# KiCad board PC110.kicad_pcb (continued)
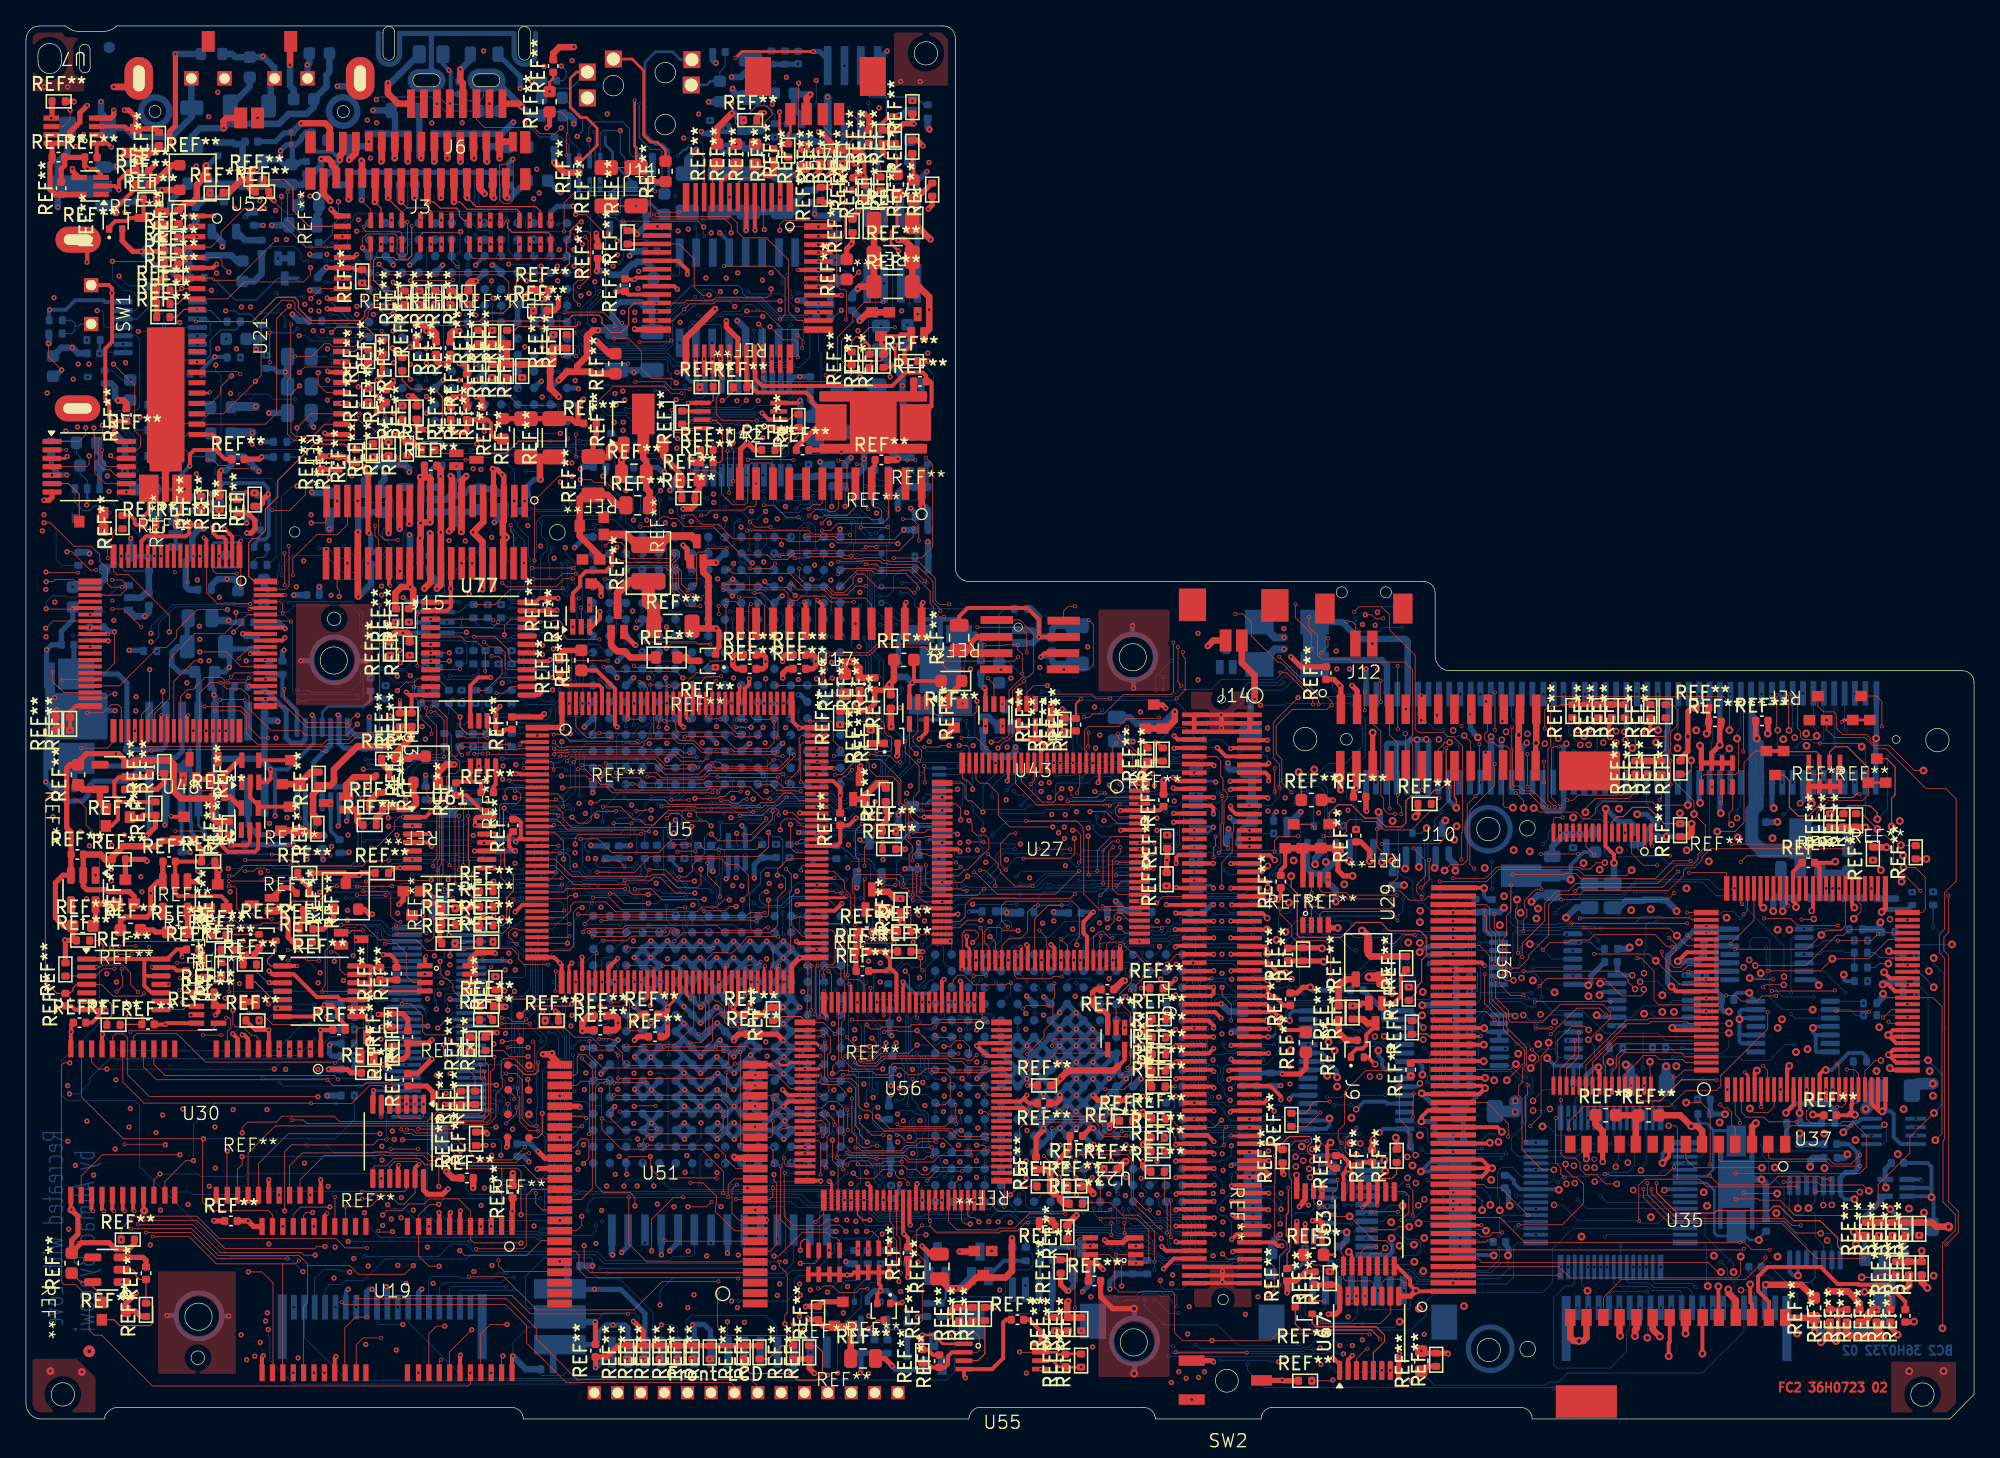
[diagram p0: board, top side]
## Routing (per net, layer and track width the routed paths; a pad name or vN(x,y) marks a point on that pad's centre or on a via; arc(x,y) is an arc through that point) (continued)
  FC2 w0.3: J16.106 92.03,31.96 v1(92.06,31.99) ; REF**#96.2 26.64,34.8 26.53,34.91 ; REF**#302.4 20.39,50.76 ; 6.81,76.79 6.92,76.9 REF**#200.1 ; 6.81,76.79 6.39,77.21 6.39,78.33 6.11,78.61 6.11,82.48 6.64,83.01 6.64,86.4 ; 6.81,76.79 6.81,75.69 ; 95.98,31.51 95.83,31.36 J16.37 ; 95.98,31.51 95.53,31.96 J16.36 ; 95.98,31.51 v5(96.52,30.97) 96.52,30.37 96.92,29.97 98.42,29.97 98.59,29.8 ; J16.107 91.59,31.36 v1(92.06,30.89) ; U48.71 19.73,59.99 v1(19.94,60.2) ; U42.34 55.49,79.94 55.87,79.56 ; REF**#271.3 103.95,30.31 103.24,29.6 103.24,28.83 102.93,28.52 102.48,28.52 102.06,28.1 ; 7.09,47.57 7.09,47.75 6.81,48.03 6.81,49.11 7.17,49.47 REF**#190.2 ; 7.09,47.57 7.3,47.57 7.32,47.55 REF**#309.2 ; 7.09,47.57 7.09,46.2 6.6,45.71 REF**#74.1 ; 46.36,55.15 46.36,53.97 v2(46.38,53.95) ; 55.87,79.56 55.58,79.56 REF**#398.2 ; 55.87,79.56 56.33,79.1 60.08,79.1 60.51,78.67 60.51,78.38 62.01,76.88 REF**#366.1 ; U3.8 36.18,48.89 36.01,48.72 REF**#126.2 ; U42.6 55.49,91.62 v1(55.47,91.6) ; REF**#416.1 9.05,93.99 9.05,92.68 REF**#418.3 7.99,92.55 7.76,92.32 6.89,92.32 6.41,91.84 ; 52.05,77.68 52.02,77.65 50.57,77.65 REF**#299.2 ; v1(78.55,51.83) 78.95,52.23 REF**#249.1 ; v1(78.55,51.83) 78.17,51.45 U27.13 ; v1(78.55,51.83) 78.06,52.32 77.88,52.32 ; 139.54,6.12 139.54,6.16 ; 139.54,6.12 139.61,6.19 139.61,8.38 139.57,8.42 ; 139.54,6.12 v3(139.42,6) ; U77.17 40.25,58.39 v1(40.38,58.52) ; 9.12,34.17 9.12,33.39 9.66,32.85 ; 9.12,34.17 9.12,35.44 ; 9.12,34.17 9.15,34.14 REF**#124.12 ; 77.88,52.32 76.42,52.32 v2(76.41,52.33) ; 77.88,52.32 77.75,52.45 REF**#58.5 ; REF**#28.1 7.88,96.18 7.16,95.46 v1(7.16,94.71) 6.85,95.02 REF**#73.2 ; REF**#121.12 26.48,33.61 26.52,33.65 26.54,33.65 ; U35.27 134.25,9.03 133.42,9.86 133.42,10.98 134.15,11.71 138.24,11.71 139.55,10.4 141.1,10.4 141.16,10.34 143.45,10.34 144.76,9.03 144.76,8.44 ; v1(14.59,31.13) 14.83,31.37 REF**#414.5 ; 11.99,36.18 11.61,36.18 10.87,35.44 REF**#124.14 9.12,35.44 ; 11.99,36.18 REF**#353.1 ; 11.99,36.18 11.99,35.63 v8(12.04,35.58) ; v1(18.72,34.52) 18.98,34.26 REF**#121.2 20.65,34.26 22.41,32.5 22.42,32.51 24.01,32.51 24.21,32.31 REF**#121.10 26.36,32.31 26.54,32.49 26.54,33.65 ; U35.21 126.61,7.81 126.61,5.95 126.53,5.87 v3(126.53,4.84) ; REF**#419.1 67.41,8.91 v1(67.5,9) ; v1(31.07,45.12) 31.02,45.07 29.77,45.07 ; U35.26 132.95,8.84 132.81,8.98 v3(132.81,10.37) ; REF**#73.3 5.78,95.9 5.34,96.34 v1(4.74,96.34) ; v1(68.64,18.12) 68.55,18.03 U56.65 ; 132.9,7.77 132.84,7.77 ; 6.81,75.69 v1(6.81,76) ; 6.81,75.69 6.81,75.51 6.99,75.33 REF**#160.14 ; v1(42.83,35.58) 42.84,35.57 U5.40 ; U42.9 53.54,95.38 53.96,95.8 54.36,95.8 54.7,96.14 REF**#426.1 ; REF**#399.1 125.11,53.14 v3(124.84,52.87) ; REF**#56.1 106.31,34.5 105.9,34.09 105.9,32.6 105.34,32.04 REF**#271.2 ; U42.16 REF**#118.1 ; 139.57,8.42 139.56,8.44 138.96,8.44 ; 139.57,8.42 139.58,8.44 140.24,8.44 ; 68.36,95.5 68.36,96.51 68.27,96.6 REF**#117.1 ; 26.54,33.65 26.54,34.9 26.53,34.91 ; v1(6.62,86.78) 6.64,86.76 6.64,86.4 ; U53.11 103.44,16.79 v2(102.94,16.29) ; U56.50 61.18,18.36 v1(61.21,18.33) ; J15.34 27.96,64.31 v2(28.06,64.21) ; v2(51.01,78.31) 51.02,78.3 REF**#321.5 ; v2(80.46,12.29) 80.43,12.26 REF**#11.2 ; REF**#100.2 5.45,97.25 U7.1 6.28,98.3 v1(6.58,98) ; v2(31.33,40.23) 30.9,40.67 REF**#166.3 ; SW1.1 6.38,87.38 6.64,87.12 6.64,86.4 ; U42.21 49.93,87.3 v1(50.18,87.05) ; 26.53,34.91 REF**#121.14 ; REF**#88.1 15.45,39.9 15.05,40.29 11.73,40.29 11.49,40.53 REF**#27.2 11.49,42.93 REF**#450.2 13.52,42.95 REF**#113.1 ; U5.102 62.18,50.17 v2(62.23,50.12) ; v3(130.36,10.22) 130.36,7.86 U35.24 ; REF**#416.2 10.47,93.61 REF**#418.1 ; v1(64.82,18.12) 65.05,17.89 U56.58 ; U42.35 56.14,80.18 56.71,79.61 66.72,79.61 67.75,80.64 69.08,80.64 69.34,80.38 REF**#174.2 69.65,79.96 69.75,79.86 69.75,78.04 REF**#366.2 ; U42.44 61.05,86.59 v1(62.81,86.59) ; REF**#358.2 66.06,82.63 65.85,82.84 REF**#19.2 67.23,83.44 67.38,83.59 REF**#428.2 68.18,82.78 67.66,82.26 REF**#276.1 ; 59.06,55.17 59.06,53.75 v1(59.57,53.24) 59.6,53.27 U5.108 ; REF**#20.2 35.69,31.02 v2(35.69,31.19) ; v1(78.59,7.83) 79.27,7.83 REF**#101.2 ; v2(34.67,29.42) REF**#148.2 ; 4.73,90.17 4.73,89.17 ; v2(9.01,30.87) 9.01,30.5 ; REF**#302.2 17.28,47.89 17.89,47.28 ; U42.5 56.14,91.63 v1(56.16,91.61) ; U67.1 101.19,4.22 100.71,4.69 v1(100.64,4.69) ; 17.98,47.19 REF**#308.2 ; U55.2 71.32,5.14 71.03,4.85 71.03,4.23 70.77,3.97 REF**#44.1 69.75,3.97 69.4,4.32 REF**#311.1 ; 9.12,35.44 REF**#124.1 ; REF**#123.1 REF**#123.3 ; REF**#372.3 11.61,34.56 11.38,34.79 REF**#124.13 ; U35.23 129.13,7.8 v3(129.13,5.04) ; 28.8,55.37 REF**#423.2 ; v2(139.57,49.64) 139.73,49.8 REF**#144.1 ; v2(47.64,32.28) 47.86,32.5 U5.50 ; REF**#171.1 41.14,56.93 41.52,56.55 44.14,56.55 44.36,56.33 44.36,55.15 ; 38.6,62.94 39.27,62.94 39.58,63.25 REF**#152.2 40.97,63.25 v1(40.98,63.24) ; REF**#254.2 17.24,44.41 17.04,44.21 v2(15.83,44.21) 15.62,44.42 REF**#68.1 ; U7.3 7.58,99.6 7.77,99.42 REF**#187.2 ; v2(20.9,34.91) REF**#121.1 ; v2(11.17,46.46) 11.23,46.41 REF**#262.2 ; v1(50.95,88.21) 50.95,88.53 50.23,89.25 U42.18 ; v1(18.74,33.63) 18.76,33.61 REF**#121.3 ; REF**#31.1 8.47,94.86 6.91,93.3 REF**#387.3 ; v2(79.28,6.8) REF**#18.1
  FC2 w0.4: REF**#268.2 9.25,12.22 9.02,12.45 REF**#47.3 ; 42.52,76.72 42.52,78.15 v1(42.95,78.58) ; 42.52,76.72 REF**#238.1 ; 42.52,76.72 42.38,76.72 42.02,77.09 REF**#279.2 REF**#175.2 36.73,77.09 REF**#266.2 ; v1(37.02,20.95) 37.1,21.03 REF**#4.10 ; v1(3.7,101.5) 3.66,101.54 REF**#36.2 ; v1(100.69,47.67) 100.66,47.7 REF**#119.2 ; v1(102.13,56.53) 102.53,56.13 J10.2 ; U43.3 73.05,59.02 72.81,59.26 ; v2(102.18,31.83) 102.68,31.83 102.89,32.04 REF**#271.1 ; REF**#216.2 56.77,57.81 56.97,58.01 v1(56.97,58.37) 56.97,58.7 56.79,58.88 REF**#53.2 ; v1(50.61,67.34) 50.93,67.02 50.93,66.33 REF**#83.2 ; REF**#383.2 14.48,32.15 REF**#414.5 ; REF**#314.2 22.89,37.75 23.69,38.55 REF**#232.1 ; 74.61,8.6 REF**#433.2 ; REF**#2.1 50.51,71.46 50.34,71.64 50.34,72.92 49.05,74.2 REF**#322.3 ; REF**#332.1 21.84,40.93 20.93,41.84 REF**#260.1 ; REF**#302.5 16.39,50.76 15.27,49.64 15.27,49.4 ; REF**#314.1 21.07,38.17 21.34,38.44 REF**#332.3 ; REF**#270.1 102.25,48.44 v1(102.43,48.62) ; REF**#199.2 41.01,31.21 v1(40.79,31.43) ; v1(29.45,78.83) 29.77,78.83 30.09,78.51 REF**#80.2 ; REF**#368.1 25.03,73.68 24.55,74.16 REF**#40.2 24.03,74.2 v1(23.35,74.2) 22.81,74.2 ; v1(98.08,16.36) 98.36,16.64 98.36,16.74 98.53,16.91 REF**#320.3 ; 72.81,59.26 72.81,59.84 73.24,60.27 U43.2 ; 72.81,59.26 REF**#389.1 ; REF**#28.1 8.49,96.92 REF**#187.1 ; REF**#228.2 2.71,96.34 2.98,96.61 REF**#374.2 ; REF**#13.1 61.37,93.75 v1(62.08,93.75) ; v1(50.61,70.13) 51.26,70.13 51.53,70.4 REF**#2.2 51.53,71.38 51.89,71.74 REF**#39.2 ; REF**#32.1 29.86,75.28 REF**#104.2 29.26,75.28 v1(28.44,76.1) ; REF**#157.2 19.57,39.16 20.2,38.53 20.2,37.12 20.56,36.76 REF**#178.1 ; v1(11.07,98.12) 11.07,99.23 11.51,99.67 v1(11.51,105.19) ; REF**#285.1 10.24,97.83 9.98,97.57 REF**#187.1 ; REF**#225.3 64.21,50.25 v1(64.29,50.33) ; 68.48,93.94 REF**#344.2 ; v3(103.73,52.89) J10.16 ; 143.61,7.47 143.61,7.04 v3(144.16,6.49) ; REF**#380.1 63.66,91.42 63.66,90.62 v1(63.58,90.54) 63.22,90.18 REF**#392.2 ; REF**#306.1 133.22,53.79 133.22,52.53 v3(133.32,52.43) ; REF**#27.1 13.18,41.4 v1(13.23,41.45) ; REF**#379.1 58.48,58.88 58.28,58.68 v1(58.28,58.37) ; v1(61.83,95.85) 62.01,96.03 REF**#140.1 ; REF**#224.1 REF**#444.1 66,97.63 v1(66.28,97.35) ; REF**#438.1 9.98,37.52 9.82,37.68 8.83,37.68 ; REF**#88.3 14.12,39.35 12.67,39.35 REF**#27.5 12.44,37.56 ; 107.66,3.69 108.02,4.05 REF**#95.1 ; REF**#365.1 17.98,70.34 18.23,70.59 18.23,70.83 v1(18.66,71.26) ; v1(40.11,99.49) 40.33,99.71 REF**#150.1 ; REF**#187.1 REF**#187.3 ; v1(26.41,68.27) 26.35,68.33 26.35,70.73 J15.16 26.36,72.75 26.1,73.01 v1(26.1,73.38) ; REF**#49.2 REF**#447.2 REF**#90.2 REF**#381.2 ; v1(33.38,86.44) 33.38,86.45 32.91,86.92 REF**#259.2 ; REF**#396.1 REF**#63.1 REF**#244.1 10.44,87.92 10.07,87.55 REF**#415.1 REF**#342.1 REF**#77.1 ; REF**#396.1 REF**#164.1 ; REF**#396.1 10.63,89.97 v1(8.89,89.97) 8.23,89.97 7.41,90.79 REF**#387.2 ; REF**#262.1 13.53,43.88 REF**#113.1 ; v1(28.23,82.52) 28.26,82.52 REF**#329.2 ; REF**#186.1 72.07,56.73 70.82,55.48 v2(70.82,55.14) ; REF**#356.2 41.46,59.24 41.14,58.92 REF**#171.2 ; REF**#13.2 61.91,94.92 v1(61.94,94.95) ; REF**#237.1 9.22,49.47 REF**#190.2 ; REF**#157.1 19.72,40.94 20.41,40.94 20.83,40.52 ; REF**#285.2 9.98,99.42 REF**#187.2 8.46,100.32 7.92,100.86 v1(7.58,100.86) ; 5.36,38.21 REF**#15.5 ; v1(3.58,96.36) 3.58,96.17 REF**#73.4 ; 15.31,49.26 REF**#85.2 15.75,47.92 REF**#254.5 ; 144.76,7.47 145.39,7.47 ; REF**#239.2 4.41,43.47 REF**#15.2 4.41,41.06 4.69,40.78 6.2,40.78 6.35,40.63 7.98,40.63 8.34,40.28 8.34,39.72 ; v1(97.43,58.74) 98.21,57.96 REF**#168.2 ; REF**#366.1 61.26,76.8 59.34,74.88 REF**#99.1 ; REF**#397.1 REF**#341.2 ; REF**#182.1 107.22,46.62 v3(107.02,46.42) ; REF**#96.1 REF**#22.1 ; 6.92,39.62 7.01,39.72 ; v2(1.95,100.25) 2.01,100.31 REF**#36.1 ; v1(4.74,96.34) 4.52,96.56 REF**#100.1 3,97.22 ; 69.51,81.52 REF**#276.2
  FC2 w0.5: v3(127.83,6.58) 127.83,7.8 U35.22 ; REF**#347.2 26.86,49.46 25.26,49.46 24.66,48.86 REF**#93.1 ; v1(27.88,102.94) 27.88,102.15 28.67,101.36 J6.8 ; REF**#142.2 101.11,33.29 101.7,33.88 REF**#436.1 ; J15.5 35.22,70.73 35.22,69.12 v1(34.43,68.33) 35.16,67.6 J15.25 35.15,65.93 v1(35.15,63.94) ; REF**#449.1 45.6,70.41 44.8,71.22 42.91,71.22 42.66,70.97 REF**#338.2 42.66,68.05 44.19,66.51 REF**#265.3 ; 141.74,15.14 146.82,15.14 147.14,14.82 148.08,14.82 ; J6.1 37.96,101.36 v1(38.2,101.12) ; REF**#56.2 103.57,35.64 103.38,35.83 REF**#436.3 103.39,36.51 103.39,37.23 102.98,37.64 v3(102.9,37.64) ; v3(131.12,9.98) 131.12,9.72 131.7,9.14 U35.25 ; U35.10 124,23.19 REF**#8.1 122.45,23.4 REF**#42.2 ; v1(102.43,48.62) 102.49,48.68 102.49,50.33 J10.15 ; J15.14 27.93,70.71 v1(27.93,68.26) ; REF**#352.1 29.84,48.08 30.04,47.88 30.04,47.39 29.67,47.02 28.71,47.02 28.58,47.15 REF**#33.2 27.48,46.82 26.98,46.32 REF**#66.2 ; 141.23,8.44 141.23,8.95 140.34,9.84 v3(138.83,9.84) ; 42.47,80.71 42.47,81.15 43.21,81.89 43.21,83.43 43.68,83.9 v1(44.06,83.9) ; 42.47,80.71 41.7,80.71 v1(41.03,80.04) ; 42.47,80.71 43.53,80.71 43.69,80.56 REF**#395.1 ; REF**#262.3 10.47,44.56 10.04,44.13 7.46,44.13 6.64,43.31 REF**#373.1 6.11,43.12 5.73,43.5 REF**#239.2 ; v2(17.72,32.15) REF**#105.2 ; REF**#62.2 45.07,59.64 45.55,59.16 46.08,59.16 46.56,58.68 REF**#371.1 ; REF**#225.2 REF**#225.1 64.71,48.12 65.58,48.99 v2(66.26,48.99) 66.26,48.63 ; J6.4 33.65,102.92 33.46,103.11 v1(33.46,104) ; REF**#66.1 25.84,45.77 25.53,46.08 25.53,46.77 25.33,46.97 REF**#93.2 ; REF**#31.2 9.8,95.16 11.26,96.62 REF**#407.1 ; REF**#308.3 REF**#308.1 21.56,45.34 21.92,44.97 REF**#109.1 ; REF**#347.1 27.97,49.98 27.38,50.57 REF**#222.1 ; REF**#347.3 27.15,48.29 26.46,47.6 REF**#33.1 ; REF**#449.2 48.03,71.44 47.78,71.69 REF**#24.2 47.78,73.82 47.55,74.05 REF**#322.2 ; J15.13 28.78,70.72 v1(28.78,68.59) ; 141.78,15.13 141.77,15.12 ; 138.96,7.47 138.96,6.61 v3(138.26,5.91) ; U35.20 125.3,6.9 v3(125.85,6.35) ; 141.23,7.47 141.62,7.47 141.88,7.73 141.88,8.1 142.22,8.44 v2(142.54,8.44) ; REF**#200.2 7.73,78.25 7.49,78.49 v1(7.1,78.49) ; REF**#70.1 103,30.81 103.32,30.49 REF**#271.3 ; REF**#89.2 REF**#305.2 REF**#130.2 ; v1(29.53,68.98) 29.56,69.01 J15.12 ; v1(13.88,96.6) 13.84,96.56 REF**#407.3 13.73,95.67 13.16,95.1 13.16,94.1 12.78,93.72 12.33,93.72 REF**#179.2 ; REF**#142.1 101.11,29.77 101.7,29.18 REF**#153.3 ; REF**#376.2 34.08,87.45 34.3,87.67 v1(34.65,87.67) ; REF**#98.1 4.36,48.52 REF**#190.5 5.7,48.51 5.7,47.49 REF**#74.3 ; U52.3 20.34,106.11 v1(20.34,104.36) ; v3(137.77,6.68) 137.77,7.74 REF**#230.1 135.54,7.79 U35.28 ; REF**#156.1 REF**#404.1 ; 5.96,69.83 v2(5.96,68.5) ; J10.12 114.99,54.6 v5(114.99,52.71) 114.95,52.67 114.95,50.42 J10.25 ; REF**#295.3 51.15,58.42 50.89,58.68 REF**#371.2 ; 6.92,39.62 6.82,39.72 5.46,39.72 REF**#15.5 ; v1(35.96,63.98) J15.24
  FC2 w0.6: REF**#338.3 46.24,68.16 47.04,67.36 REF**#97.2 48.88,67.36 49.55,68.03 51.28,68.03 REF**#83.3 ; REF**#62.3 45.57,63.63 46.5,64.56 REF**#97.1
  FC2 w0.7: v3(148.09,14.81) 148.08,14.82
  FC2 w1: REF**#97.1 47.94,62.91 48.36,62.5 REF**#138.1
  FC1 w0.05: v2(53.72,64.36) 53.21,63.85 v2(50.99,63.85) 50.99,55.8 50.2,55.01 50.2,46.92 50.65,46.47 50.65,43.42 51.08,42.99 51.08,41.29 51.35,41.02 51.85,41.02 52.25,40.62 v1(52.25,40.05) ; v2(102.94,16.29) 102.94,16.88 102.68,17.14 97.72,17.14 97.42,16.84 96.26,16.84 96.24,16.82 96.2,16.82 96.14,16.76 94.01,16.76 93.32,17.45 93.32,18.14 92.98,18.48 90.23,18.48 89.33,19.38 89.33,21.57 v2(88.81,22.09) ; v1(63.92,15.23) 64.46,15.23 64.83,14.86 65.05,14.86 65.22,14.69 65.22,14.22 64.89,13.89 v2(64.89,13.14) ; v2(41.29,41.19) 43.12,41.19 43.67,40.64 v2(43.67,40.17) ; v1(46.82,22.78) 46.34,23.26 46.34,30.92 45.97,31.3 ; v2(103.7,59.75) 103.3,59.35 v2(99.02,59.35) ; v2(51.11,79.35) 51.44,79.02 51.44,74.58 52.16,73.86 52.16,72.52 52.68,72 54.13,72 54.49,71.64 54.49,66.49 54.91,66.07 v2(54.91,63.33) ; v1(63.98,14.46) 64.03,14.46 64.48,14.01 64.48,12.82 64.57,12.73 66.08,12.73 v2(66.48,13.14) ; v2(68.68,85.14) 68.66,85.16 68.66,93.63 v2(68.35,93.94) ; v2(73.93,27.5) 76.5,27.5 v2(77.12,28.12) ; v2(25.49,40.37) 23.99,40.37 23.45,40.91 v2(23.45,43.42) ; v1(43.35,98.59) 43.35,98.28 42.93,97.86 33.68,97.86 31.65,99.89 v2(31.65,101.36) ; v1(13.12,96.56) 11.72,95.16 11.72,88.46 12.56,87.62 12.56,79.59 14.27,77.88 14.27,72.37 14.51,72.13 14.51,69.82 14.24,69.55 11.99,69.55 9.02,66.58 9.02,66.24 9.54,65.72 12.14,65.72 v1(13.2,64.66) ; v2(64.06,19.63) 63.72,19.97 63.19,19.97 62.66,20.5 60.04,20.5 v2(60,20.46) 57.93,20.46 56.63,19.16 56.63,12.9 57.41,12.12 v2(58.03,12.12) ; v1(49.7,69.94) 49.7,69.52 49.88,69.34 50.12,69.34 50.38,69.08 50.38,68.63 49.06,67.31 49.06,66.55 49.54,66.07 50.21,66.07 50.41,65.87 50.41,64.65 49.84,64.08 49.84,57.96 49.75,57.87 49.75,56.69 v2(49.54,56.48) ; v2(6.99,35.82) 6.82,35.65 v2(6.82,34.69) ; v2(49.19,37.58) 49.17,37.6 49.17,39.58 49.79,40.2 49.79,43.85 49.89,43.95 v2(49.89,44.21) ; v1(62.96,8.17) 62.43,8.7 62.43,13.48 61.6,14.31 61.6,15.65 62.42,16.47 63.23,16.47 63.55,16.79 v2(63.55,16.86) ; v2(61.43,29.5) 62.09,28.84 63.39,28.84 63.81,28.42 v2(64.04,28.42) ; v2(65.07,53.08) 65.07,52.86 66.53,51.4 66.53,50.71 67.34,49.9 69.85,49.9 71.83,47.92 73.33,47.92 74.11,47.14 v2(74.11,43.53) ; v2(45.65,66.13) 45.65,60.38 47.51,58.52 47.51,56.32 46.38,55.19 v2(46.38,53.95) ; v1(17.43,75.11) 17.47,75.07 v2(17.47,73.25) ; v1(25.25,12.36) 25.25,12.94 25.53,13.22 25.53,14.1 25.12,14.51 25.12,17.01 24.95,17.18 24.95,25.74 25.1,25.89 25.1,32.99 26.1,33.99 26.1,37.5 v2(25.96,37.64) ; v3(144.47,41.41) 139.58,46.3 139.56,46.3 139.56,49.63 v2(139.57,49.64) 139.56,49.65 139.56,53.41 v2(139.86,53.71) ; v1(107.7,6.52) 107.7,7.33 109.93,9.56 v2(109.93,10.48) ; 45.97,31.3 45.94,31.32 ; 45.97,31.3 45.82,31.44 45.82,32.05 45.96,32.19 45.96,33.76 47.33,35.13 47.33,44.15 46.22,45.26 46.22,52.91 46.86,53.55 v2(46.86,55.15) 47.28,55.15 48.08,55.95 v2(48.08,56.57) ; 44.96,42.7 44.96,40.51 v2(44.99,40.48) ; 44.96,42.7 43.65,42.7 43.14,42.19 42.16,42.19 41.91,42.44 41.91,43.42 41.72,43.61 v2(41.13,43.61) ; 44.96,42.7 44.96,51.04 44.81,51.19 v2(44.81,58.44) ; v2(59.68,49.07) 59.67,49.06 v2(59.67,48.39) ; v2(43.52,32.3) 42.45,33.37 40.61,33.37 40.49,33.25 40.49,32.01 40.63,31.87 41.28,31.87 v1(42.05,31.1) ; 8.18,63.06 8.18,63.46 8.65,63.93 10.14,63.93 11.45,65.24 v2(11.47,65.24) ; 8.18,63.06 6.67,63.06 v4(6.66,63.07) ; 8.18,63.06 8.18,60.73 8.38,60.53 8.38,58.64 7.49,57.75 7.49,51.14 5.9,49.55 5.9,43.11 6.08,42.93 6.08,40.17 5.98,40.07 5.98,36.94 v1(6.59,36.33) ; v2(65.6,96.77) 65.6,97.65 64.28,98.97 v2(63.81,98.97) 63.81,96.93 v2(63.95,96.79) ; v2(41.72,58.44) 41.72,58.8 41.6,58.92 41.6,62.43 41.23,62.8 40.6,62.8 39.61,63.79 39.61,66.12 39.24,66.49 36.33,66.49 35.5,65.66 34.2,65.66 33.96,65.9 33.96,66.33 33.31,66.98 29.39,66.98 v2(28.63,67.74) ; v1(45.35,24.08) 44.97,24.08 44.6,24.45 40.05,24.45 39.07,23.47 v2(38.75,23.47) ; v2(137.95,46.25) 137.95,45.76 137.26,45.07 v2(137.26,43.39) ; v2(61.61,19.37) 61.51,19.47 v2(58.13,19.47) ; v2(58.4,20.09) 58.91,20.09 58.94,20.12 v2(62.48,20.12) ; v2(45.26,45.9) 45.26,35.96 45.14,35.84 45.14,33.89 v2(45.36,33.67) ; v2(48.64,91.9) 48.25,91.51 48.25,86.79 47.9,86.44 47.9,83.67 48.25,83.32 48.25,71.28 48.68,70.85 49.57,70.85 50.16,70.26 50.16,69.95 v2(50.6,69.51) 50.6,68.42 49.3,67.12 49.3,66.66 49.62,66.34 50.23,66.34 50.6,65.97 50.6,64.41 50.07,63.88 50.07,57.72 49.98,57.63 49.98,56.26 49.02,55.3 49.02,54.83 49.95,53.9 49.95,46.89 50.47,46.37 50.47,42.92 50.88,42.51 50.88,40.19 50.43,39.74 50.43,38.74 50.5,38.67 50.5,37.4 50.28,37.18 50.28,36.46 50.08,36.26 50.08,17.39 50.28,17.19 50.28,16.83 50.39,16.72 50.39,15.52 53.34,12.57 v2(53.34,10.6) ; 98.55,22.78 98.49,22.84 98.49,31.11 97.83,31.77 93.37,31.77 92.71,32.43 91.43,32.43 89.64,30.64 85.84,30.64 84.77,29.57 84.77,28.37 84.02,27.62 83.23,27.62 82.64,27.03 81.98,27.03 81.4,26.45 81.4,19.66 81.08,19.34 76.48,19.34 75.19,18.05 72.2,18.05 70.63,16.48 70.43,16.48 v2(70.05,16.86) ; 98.55,22.78 99.59,21.74 101.3,21.74 101.58,21.46 101.58,21.06 101.84,20.8 102.77,20.8 103.71,19.86 103.71,18.13 104.24,17.6 108.51,17.6 ; 98.55,22.78 98.55,22.92 ; v2(15.06,29.58) 15.06,31.23 14.94,31.35 14.94,32.7 15.17,32.93 v2(15.65,32.93) ; v2(70.82,55.14) 70.82,53.75 v2(72.06,52.5) ; v3(144.33,46.08) 144.33,48.93 142.95,50.31 v2(142.95,53.37) ; v1(45.99,76.18) 46.71,76.18 47.26,75.63 47.26,68.8 v2(47.3,68.76) 47.3,66.29 48.81,64.78 48.81,54.64 49.76,53.69 49.76,48.15 49.71,48.1 v2(49.71,47.7) ; v2(20.9,34.91) 20.9,35.46 21.43,35.99 v2(23.51,35.99) ; 37.8,36.6 38.18,36.22 38.18,32.88 37.62,32.32 37.62,26.87 37.37,26.62 v2(37,26.62) ; v2(117.4,54.68) 116.93,54.68 116.53,55.08 113.02,55.08 112.66,54.72 106.91,54.72 106.88,54.69 v2(106.28,54.69) ; v2(73.05,32.11) 75.09,32.11 75.23,31.97 76.48,31.97 v2(76.82,31.63) ; v2(89.79,1.5) 89.79,3.93 90.68,4.82 92.03,4.82 94.93,7.72 94.93,9.37 v1(94.89,9.41) ; v2(49.36,46.3) 49.36,40.72 48.68,40.04 48.68,34.65 48.86,34.47 v2(48.86,33.67) ; v2(64.16,42.29) 64.16,41.53 64.33,41.36 64.93,41.36 65.2,41.63 v2(65.83,41.63) ; v2(45.68,71.74) 45.69,71.73 45.69,69.53 46.1,69.12 46.1,64.14 48.41,61.83 48.41,54.31 46.78,52.68 46.78,51.35 47.58,50.55 47.58,46.08 47.95,45.71 48.86,45.71 48.96,45.61 48.96,44.89 48.55,44.48 v1(48.55,41.28) 48.18,41.28 47.53,40.63 47.53,34.18 47.36,34.01 v2(47.36,33.67) ; v2(57.98,77.65) 57.98,78.09 56.74,79.33 v2(56.74,80.24) ; 44.17,53.65 43.95,53.65 42.63,54.97 42.63,56.72 41.95,57.4 41.75,57.4 41.15,58 38.15,58 36,60.15 v2(36,61.54) ; 44.17,53.65 44.17,53.66 ; 44.17,53.65 v2(44.17,52.85) ; v1(31.26,99.88) 31.21,99.93 31.21,101.65 31.63,102.07 40.1,102.07 v2(40.33,102.3) ; v2(3.11,74.68) 3.07,74.72 v1(3.07,76.14) ; 76.02,35.03 75.54,34.55 75.54,33.45 75.79,33.2 77.44,33.2 77.94,32.7 77.94,32.13 78.38,31.69 78.38,31.56 ; 76.02,35.03 76.02,35.29 ; 76.02,35.03 76.02,38.47 76.34,38.79 76.34,41.09 ; v2(73.74,44.48) 73.74,43.41 73.49,43.16 v2(73.49,42.28) ; v2(99.18,14.06) 99.18,12.34 99.45,12.07 99.45,7.83 v2(99.78,7.5) ; v1(20.87,71.89) 20.93,71.83 23.53,71.83 24.27,71.09 24.27,70.44 22.55,68.72 22.55,67.62 v2(23.14,67.03) ; v2(5.93,35.96) 5.42,35.45 v2(5.42,34.83) ; v2(39.59,61.43) 39.57,61.41 v2(36.37,61.41) ; v1(34.5,11.36) 34.5,12.49 34.39,12.6 34.39,12.65 34.3,12.74 34.3,16.68 33.81,17.17 33.81,21.37 33.77,21.41 33.77,33.18 v2(34.22,33.63) ; v1(76.22,51.77) 76.22,51.35 76.06,51.19 74.16,51.19 73.98,51.37 v2(73.98,51.72) ; v2(48,45.28) 48.03,45.25 v2(48.03,42.33) ; v2(57.91,51.41) 57.91,50.49 58.28,50.12 60.99,50.12 61.9,49.21 v2(62.69,49.21) ; v2(108.89,41.42) 108.57,41.74 106.16,41.74 105.58,41.16 v2(105.58,40.37) ; v1(67.84,48.22) 65.43,48.22 v2(63.63,50.02) ; v6(11.84,38.31) 11.37,37.84 11.37,34.34 10.98,33.95 v2(10.98,33.5) ; v2(30.31,85.9) 30.8,85.9 31.41,86.51 32.85,86.51 33.23,86.13 33.23,85.68 32.7,85.15 32.7,83.83 30.81,81.94 26.72,81.94 26.2,82.46 v1(23.22,82.46) ; v2(81.27,3.99) 81.27,6.79 v2(81.28,6.8) ; v2(118.72,47.68) 118.7,47.7 109.2,47.7 109.04,47.54 104.22,47.54 103.78,47.1 103.78,46.36 103.52,46.1 100.63,46.1 100.05,45.52 v2(99.28,45.52) ; v1(38.43,99.93) 38.31,99.93 36.4,101.84 33.13,101.84 v2(32.65,101.36) ; v2(56.16,98.24) 56.16,95.69 54.62,94.15 v2(54.19,94.15) ; v2(35.93,45.02) 35.9,44.99 v2(35.9,42.47) ; v2(63.15,84.71) 63.15,83.49 v2(63.18,83.46) ; v2(57.7,65.92) 57.7,68.89 57.41,69.18 57.41,70.5 57.03,70.88 56.88,70.88 55.89,71.87 55.89,73.06 56.02,73.19 56.02,74.04 55.85,74.21 54,74.21 53.69,74.52 53.69,76.61 54.9,77.82 55.37,77.82 55.49,77.94 v1(55.49,78.49) ; v1(64.14,88.38) 62.81,89.71 62.81,90.39 61.76,91.44 60.64,91.44 60.18,90.98 60.18,83.75 59.24,82.81 56.68,82.81 54.37,80.5 54.37,77.7 53.63,76.96 v2(52.76,76.96) ; v2(37.61,24.66) 37.93,24.66 38.5,24.09 38.96,24.09 41.97,27.1 43.78,27.1 v1(44.29,26.59) ; v2(51.06,53.83) 51.06,53.19 50.74,52.87 50.62,52.87 50.4,52.65 50.4,47.26 v1(51.11,46.55) ; v2(25.56,70.74) 24.92,70.74 23.61,72.05 22.63,72.05 22.44,72.24 v2(22.05,72.24) ; v2(58.8,51.66) 58.81,51.67 v2(60.91,51.67) ; v2(126.66,50.74) 126.66,51.79 127.03,52.16 128.19,52.16 128.39,52.36 129.84,52.36 130.05,52.57 131,52.57 131.75,51.82 133.87,51.82 133.97,51.72 136.21,51.72 136.44,51.49 137.62,51.49 v2(138.18,52.05) ; v2(51.04,47.71) 51.04,47.36 51.55,46.85 51.55,46.35 51.29,46.09 51.06,46.09 50.86,45.89 50.86,44.5 v2(51.11,44.25) 51.11,43.4 51.55,42.96 51.55,42.18 52.94,40.79 52.94,39.91 52.65,39.62 v1(51.37,39.62) ; v2(109.93,20.58) 110.01,20.66 121.43,20.66 121.99,20.1 121.99,19.61 121.74,19.36 v5(120.82,19.36) ; v2(45.46,46.85) 45.45,46.86 v2(45.45,49.79) ; v2(43.65,37.17) 41.89,37.17 v2(41.86,37.2) ; v1(82.02,9.42) 82.02,12.16 83.6,13.74 v2(83.6,14.18) ; v2(27.24,62.73) 27.26,62.75 v2(34.64,62.75) ; v3(105.81,7.5) 105.81,13.34 v3(105.8,13.35) ; 108.51,17.6 111.15,20.24 119.2,20.24 119.68,19.76 119.68,19.22 120.03,18.87 v2(121.6,18.87) ; 108.51,17.6 107.84,17.6 ; 78.38,31.56 78.38,31.59 ; 78.38,31.56 v1(78.38,31.12) ; v2(55.79,65.55) 55.8,65.54 55.8,63.1 55.84,63.06 v2(55.84,62.8) ; v2(53.49,53.93) 53.74,53.68 53.74,51.69 52.55,50.5 52.55,47.03 52.34,46.82 52.34,44.61 52.49,44.46 v2(52.49,42.84) ; v2(43.35,37.52) 43.32,37.55 43.32,39.97 42.57,40.72 41.12,40.72 40.82,41.02 v2(40.82,42.14) ; v2(28.02,24.25) 27.44,24.25 26.7,23.51 26.7,21.19 26.78,21.11 26.78,16.76 26.98,16.56 26.98,15.04 27.14,14.88 v2(27.14,14.5) ; 30.8,34.26 30.93,34.13 v1(30.93,32.38) ; 54.32,55 54.32,55.03 54.37,55.08 ; 54.32,55 54.32,48.34 54.06,48.08 54.06,46.79 53.75,46.48 53.75,45.31 54.87,44.19 54.87,42.91 55.62,42.16 55.62,40.78 55.39,40.55 53.25,40.55 53.11,40.41 53.11,39.19 52.69,38.77 51.91,38.77 51.36,38.22 51.36,36.67 50.95,36.26 50.43,36.26 50.27,36.1 50.27,18.22 50.62,17.87 v2(50.62,17.08) ; 54.32,55 54.32,55.11 v2(54.36,55.15) ; v2(99.04,2.94) 97.76,2.94 97.28,3.42 95.72,3.42 v2(94.03,5.11) ; v2(97.79,62.78) 97.72,62.85 81.04,62.85 v2(80.81,62.62) ; v2(49.69,37.57) 49.69,39.73 50.01,40.05 50.01,43.54 v2(50.18,43.71) ; v1(46.79,36.84) 46.79,36.15 46.34,35.7 v2(46.34,34.95) ; v2(81.01,20.39) 81.01,20.73 80.9,20.84 80.64,20.84 79.75,21.73 76.42,21.73 75.15,23 v2(75.15,25.46) ; v2(14.81,48.44) 15.28,48.44 15.83,47.89 v2(15.83,44.21) ; v2(44.65,50.53) 44.65,49.96 44.75,49.86 44.75,46.7 44.51,46.46 v1(43.97,46.46) ; v2(53.95,42.73) 53.95,43.85 53.52,44.28 53.52,46.65 53.86,46.99 53.86,48.4 54.06,48.6 54.06,57.44 55.78,59.16 v2(55.78,59.63) ; v2(31.33,40.23) 32.18,40.23 32.26,40.31 v2(32.26,40.82) ; v1(44.27,27.91) 43.63,27.27 40.05,27.27 39.87,27.09 38.9,27.09 v2(38.75,27.25) ; v2(84.76,21.84) 84.76,22.97 87.15,25.36 88.27,25.36 88.34,25.29 89.61,25.29 90.26,24.64 90.26,19.36 90.94,18.68 93.17,18.68 93.56,18.29 93.56,17.66 94.31,16.91 95.95,16.91 96.23,17.19 96.23,17.7 96.64,18.11 100.83,18.11 101.41,17.53 103.85,17.53 104.04,17.34 108.82,17.34 109.5,18.02 117.43,18.02 118.48,19.07 118.79,19.07 v5(119.23,19.51) ; v2(27.43,74.86) 27.92,74.86 28.68,74.1 v2(28.68,74.09) ; v2(15.64,41.06) 15.35,41.06 15.34,41.05 15.34,38.34 15.43,38.25 v2(15.43,37.83) ; v2(64.76,30.36) 62.86,32.26 57.24,32.26 56.23,31.25 55.05,31.25 54.52,30.72 54.52,30.01 55.05,29.48 55.05,28.82 v2(54.62,28.39) ; v2(36.69,64.44) 36.34,64.44 36.19,64.59 28.44,64.59 v2(28.06,64.21) ; v2(78.15,3.84) 79.28,4.97 v2(79.28,6.8) ; v1(15.76,79.04) 14.59,77.87 14.59,72.61 15.3,71.9 15.3,69.47 14.88,69.05 14.88,68.1 14.03,67.25 13.06,67.25 12.63,66.82 12.63,66.24 12.98,65.89 20.78,65.89 21.1,65.57 23.22,65.57 24.19,66.54 25.76,66.54 v2(26.36,65.94) ; v2(16.91,71.46) 17.21,71.76 17.84,71.76 18.1,71.5 18.1,70.67 18.75,70.02 v2(18.97,70.02) ; v1(26.07,15.9) 26.07,16.15 26.18,16.26 26.18,18.01 26.01,18.18 26.01,20.4 25.74,20.67 25.74,25.06 25.88,25.2 25.88,32.41 26.9,33.43 26.9,35.9 27.29,36.29 27.83,36.29 28.02,36.48 28.02,40.54 27.81,40.75 27.81,42.43 27.44,42.8 27.44,45.02 27.17,45.29 27.17,47.64 28.95,49.42 28.95,52.92 30.04,54.01 32.23,54.01 33.15,54.93 33.15,58.15 33.96,58.96 34.97,58.96 35.6,59.59 35.6,61.93 36.1,62.43 37.85,62.43 39.35,63.93 39.35,65.98 v2(39.18,66.15) ; v2(21.88,30.41) 21.88,32.31 22.48,32.91 v2(22.82,32.91) ; 6.58,98.84 6.56,98.86 ; v2(26.27,30.41) 26.28,30.4 v2(26.28,29.41) ; v2(77.12,26.88) 76.93,27.07 v2(73.92,27.07) ; v2(102.45,45.43) 102.47,45.45 v2(104.06,45.45) 104.06,45.6 105.05,46.59 v2(105.05,47.04) ; v2(107.47,3.69) 105.14,3.69 v2(105.08,3.74) ; v2(56.02,46.79) 56.01,46.8 v1(56.01,47.77) ; v2(80.46,12.29) 81.38,11.37 v1(81.38,9.8) ; v1(41.25,104.26) 41.25,99.52 v1(41.23,99.5) ; v2(100.79,12.63) 100.79,12.62 101.61,11.8 101.66,11.8 102.48,10.98 v2(102.48,9.46) ; v2(45.91,84.46) 45.9,84.45 45.9,80.96 v2(46.93,79.93) ; v2(18.76,83.68) 18.76,85.3 17.08,86.98 v1(14.29,86.98) ; 107.59,48.48 109.12,48.48 109.32,48.28 110.06,48.28 110.32,48.54 114.46,48.54 v2(114.76,48.24) ; v2(44.37,33.67) 44.47,33.77 v2(44.47,36.86) ; v2(17.13,31.28) 16.5,31.91 16.5,32.64 15.82,33.32 15,33.32 v2(14.01,32.33) ; v2(13.75,54.91) 13.42,54.91 13.29,54.78 13.29,54.13 11.83,52.67 11.83,39.9 12.26,39.47 12.26,37.03 11.66,36.43 v2(11.66,35.15) ; v2(53.26,49.47) 53.3,49.43 v2(53.3,48.29) ; v2(18.59,44.18) 18.64,44.13 v2(18.64,42.22) ; 70.28,14.54 69.78,14.54 69.7,14.62 69.03,14.62 68.9,14.49 68.04,14.49 67.73,14.8 67.73,15.53 67.94,15.74 v2(67.94,18.11) ; 70.28,14.54 74.7,14.54 75.92,13.32 81.97,13.32 v2(81.98,13.31) ; 70.28,14.54 70.22,14.54 ; v2(9.64,89.2) 9.66,89.18 10.39,89.18 10.46,89.11 10.46,74.21 12.52,72.15 12.52,71.73 13.01,71.24 v2(14.25,71.24) ; v2(10.53,92.99) 10.72,92.8 10.72,77.15 13.96,73.91 v2(13.99,73.91) ; v2(80.06,15.81) 80.85,15.02 83.09,15.02 83.18,15.11 v2(83.6,15.11) ; v1(70.67,23.68) 70.67,22.35 71.07,21.95 71.07,20.77 70.45,20.15 70.45,18.99 70.55,18.89 v2(70.55,16.86) ; v2(101.49,13.56) 100.43,14.62 97.96,14.62 97.07,15.51 95.41,15.51 93.29,13.39 92.45,13.39 92.08,13.76 90.79,13.76 89.2,15.35 88,15.35 v2(87.39,14.74) ; v2(42.33,33.67) 40.47,33.67 40.28,33.48 40.28,30.99 v2(39.99,30.7) ; v2(37.11,28.63) 36.72,28.63 36.53,28.44 35.86,28.44 35.66,28.64 35.66,29.7 36.15,30.19 36.38,30.19 36.45,30.12 36.75,30.12 36.97,30.34 36.97,31.05 36.16,31.86 v2(36.16,34.09) ; v2(20.97,36.11) 21.77,36.91 v2(25.4,36.91) ; v2(76.45,53.41) 75.21,54.65 v2(75.21,55.09) ; v2(12.12,49.38) 12.12,40.25 12.62,39.75 12.62,36.16 v8(12.04,35.58) ; v2(62.23,50.12) 61.58,50.77 61.58,51.99 60.8,52.77 57.69,52.77 57.6,52.68 v2(57.6,50.81) ; v2(80.8,8.52) 78.64,8.52 77.06,6.94 v1(77.06,3.53) ; v2(88.54,5.13) 88.54,7.93 85.48,10.99 v2(85.48,12.01) ; v1(42.3,42.66) 42.34,42.66 42.8,43.12 42.8,43.48 42.81,43.48 43.05,43.72 43.05,44.84 42.87,45.02 41.84,45.02 41.01,45.85 v2(41.01,46.5) ; v2(59.7,42.27) 60.26,41.71 60.26,38.7 59.43,37.87 v2(57.15,37.87) ; v2(78.71,31.88) 83.11,31.88 83.43,31.56 84.9,31.56 85.58,30.88 89.34,30.88 91.07,32.61 92.93,32.61 93.58,31.96 97.98,31.96 98.77,31.17 98.77,22.87 99.71,21.93 102.77,21.93 104.15,20.55 v2(104.15,18.76) ; v1(37.66,47.88) 38.59,46.95 38.59,41.05 v2(37.55,40.01) ; v2(28.85,38.31) 28.85,37.97 28.92,37.9 28.92,32.02 v2(28.95,31.99) ; v1(44.29,39.43) 44.29,38.87 43.96,38.54 v2(43.96,35.9) ; v2(102.29,62.2) 101.2,62.2 100.57,61.57 98.7,61.57 97.93,62.34 97.35,62.34 97.22,62.47 94.04,62.47 93.33,61.76 92.77,61.76 92.5,62.03 81.99,62.03 81.84,61.88 80.3,61.88 79.92,62.26 v2(70.43,62.26) ; v2(50.1,65.73) 48.91,65.73 48.24,66.4 48.24,69.71 47.92,70.03 47.92,77.24 46.63,78.53 v1(46.12,78.53) ; v2(59.16,51.19) 59.18,51.17 v2(60.91,51.17) ; v1(12.49,16.53) 12.49,22.02 13.63,23.16 v2(13.63,29.61) ; v2(125.21,17.71) 125.21,21.16 121.48,24.89 118.98,24.89 118.54,25.33 118.54,33.72 118.33,33.93 118.33,37.63 117.74,38.22 117.74,47.16 v2(117.75,47.17) ; v1(49.36,52.07) 48.95,51.66 v2(48.95,47.21) ; v2(18.64,52.48) 18.64,51.91 20.02,50.53 20.02,47.55 20.65,46.92 20.65,45.49 20.15,44.99 v2(20.15,44.22) ; v2(41.38,47.19) 41.38,45.82 42,45.2 43.17,45.2 43.97,44.4 43.97,43.29 v1(43.87,43.19) ; v1(88.22,2.81) 88.22,7.46 84.27,11.41 84.27,13.97 v2(84.61,14.31) ; v1(25.92,86.4) 25.92,85.18 26.54,84.56 30.19,84.56 v2(31.53,85.9) ; v2(138.69,53.86) 138.41,53.57 138.41,49.69 v2(138.43,49.67) ; v2(48.73,53.3) 48.73,52.08 48.63,51.98 48.63,46.3 49.11,45.82 49.11,40.99 48.39,40.27 48.39,39.35 47.73,38.69 47.73,35.14 48.51,34.36 48.51,30.66 48.52,30.66 48.52,30.34 48.51,30.34 48.51,29.98 49.45,29.04 49.45,24.73 49.19,24.47 49.19,23.17 49.44,22.92 49.44,15.38 51.54,13.28 51.54,11.87 53.25,10.16 53.64,10.16 54.69,11.21 59.65,11.21 60.82,12.38 v2(60.82,15.19) ; v2(33.6,51.16) 33.6,49.99 31.93,48.32 31.93,46.71 31.27,46.05 29.54,46.05 29.35,45.86 29.35,41.77 29.69,41.43 29.69,38.46 29.5,38.27 29.5,35.56 29.9,35.16 30.93,35.16 v1(31.46,35.69) ; v2(35.79,52.1) 36.92,53.23 40.16,53.23 v2(40.65,52.74) ; v2(106.24,10.41) 106.24,10.75 106.36,10.87 106.36,13.68 105.94,14.1 v2(105.94,15.34) ; v1(28.63,38.98) 28.88,38.98 29.23,39.33 29.23,41.37 27.69,42.91 27.69,45.15 27.43,45.41 27.43,47.16 30.14,49.87 30.14,53.56 30.38,53.8 32.54,53.8 33.39,54.65 33.39,56.98 34.6,58.19 35.9,58.19 36.04,58.05 37.13,58.05 37.5,57.68 40.95,57.68 41.65,56.98 v2(41.84,56.98) ; v1(3.85,98.07) 2.97,98.95 v2(1.95,98.95) ; v1(25.49,85.13) 24.84,85.13 24.68,85.29 24.68,86.59 25.11,87.02 30.21,87.02 v2(30.31,86.92) ; v2(41.26,41.68) 43.55,41.68 v2(44,42.13) ; v2(34.87,37.43) 34.87,34.76 35.14,34.49 35.14,31.54 34.67,31.07 v2(34.67,29.42) ; v2(42.73,62.53) 42,63.26 42,63.35 v2(41.34,64.01) ; 69.71,72.95 69.71,78.92 67.98,80.65 64.47,80.65 63.99,81.13 63.99,83.1 65.22,84.33 65.22,91.37 v2(66.26,92.41) ; 69.71,72.95 69.71,69.28 68.44,68.01 68.44,66.22 67.33,65.11 67.33,62.74 69.4,60.67 70.81,60.67 71.29,60.19 71.29,56.43 72.14,55.58 v2(72.14,55.14) ; 69.71,72.95 69.71,72.98 ; v2(52.2,39.16) 51.04,39.16 v2(50.79,39.41) ; v2(105.66,53.15) 105.82,53.31 107.4,53.31 107.88,52.83 108.11,52.83 108.26,52.68 108.26,52.31 109.12,51.45 112.34,51.45 v2(112.43,51.36) ; v2(79.22,33.57) 79.22,35.41 79.83,36.02 79.97,36.02 80.55,36.6 80.55,37.14 80.16,37.53 80.16,38.95 82.82,41.61 84.65,41.61 85.21,41.05 85.21,39.89 85.49,39.61 85.85,39.61 86.12,39.88 86.12,40.69 86.67,41.24 87.08,41.24 87.78,40.54 88.8,40.54 89.04,40.78 89.04,42.29 90.37,43.62 v2(91.88,43.62) ; v2(101.35,21.26) 101.03,20.94 v2(101.03,18.44) ; v2(77.53,41.07) 77.53,37.08 77.74,36.87 77.74,34.3 78.93,33.11 83.03,33.11 83.78,32.36 83.78,32.14 84.16,31.76 87,31.76 87.47,31.29 89.2,31.29 90.71,32.8 93.16,32.8 93.81,32.15 98.09,32.15 99,31.24 99,22.96 99.84,22.12 102.82,22.12 103.19,22.49 104.7,22.49 105.06,22.13 105.06,19.34 106.42,17.98 v2(106.47,17.98) ; v2(41.63,97.37) 42.45,97.37 44.03,95.79 44.03,91.87 44.39,91.51 44.39,90.61 44.61,90.39 44.61,82.84 44.37,82.6 44.37,77.9 42.36,75.89 v2(42.36,75.86) ; v2(52.94,36.29) 52.94,35.94 52.82,35.82 52.82,29 v2(53.15,28.67) ; v1(7.67,81.4) 7.59,81.48 7.59,92.44 7.59,90.29 6.19,91.69 6.19,96.33 2.27,100.25 v2(1.95,100.25) ; v2(105.81,25.7) 103.6,25.7 102.04,27.26 102.04,31.69 v2(102.18,31.83) ; v1(59.28,41.83) 59.88,41.23 59.88,39.33 59.57,39.02 v2(56.89,39.02) ; v2(44.17,60.08) 44.79,60.08 v2(46.82,58.05) ; v1(28.78,59.23) 28.78,59.83 28.5,60.11 v2(28.5,61.41) 28.92,61.41 29.48,60.85 30.01,60.85 v2(31.18,59.69) ; v2(64.55,16.86) 65.96,15.45 v1(65.96,14.25) ; v2(97.23,17.82) 99.57,17.82 v2(99.83,17.56) ; v2(98.82,61.81) 98.08,62.55 97.5,62.55 97.37,62.68 81.81,62.68 81.45,62.32 80.52,62.32 